# KiCad board Type 1 Termination Board v3.kicad_pcb (continued)
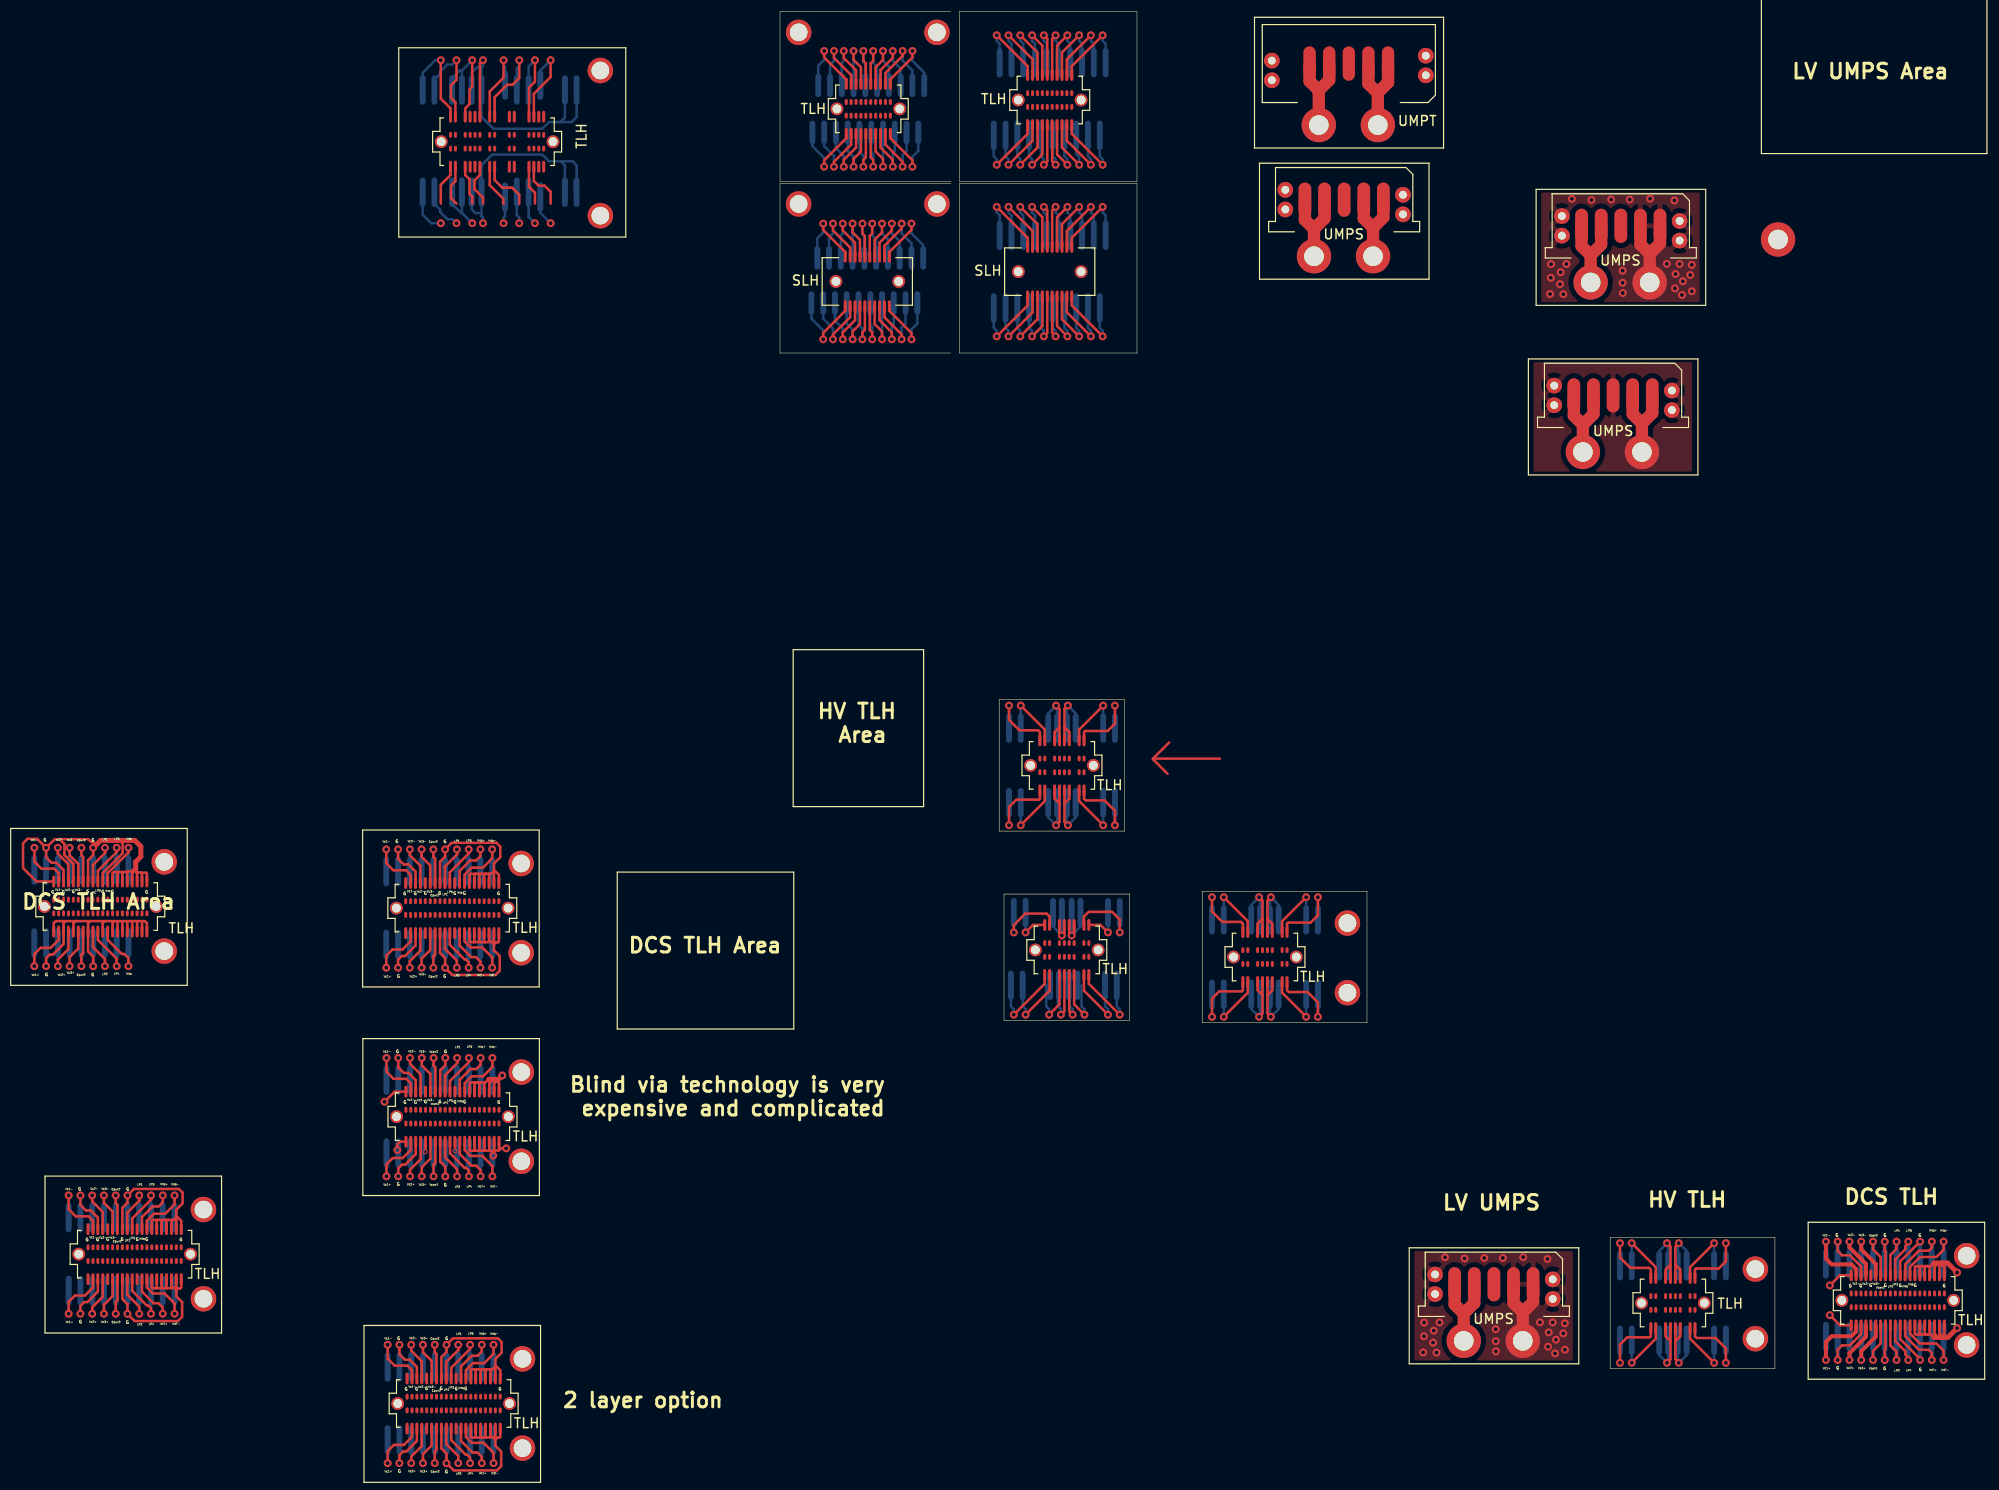
[diagram p0: board, top side]
## Copper pours and planes (outline as drawn; the poured copper is in the pictures) (continued)
GND on Top: 164.42,128.03 164.42,116.86 148.26,116.86 148.26,128.03
GND on Top: 163.63,110.74 163.63,99.57 147.47,99.57 147.47,110.74
GND on Bottom: 45.99,11.72 45.99,-2.99 29.34,-2.99 29.34,11.72
GND on Bottom: 148.12,128.18 164.54,128.17 164.55,116.73 148.13,116.73
GND on Bottom: 147.33,110.89 163.75,110.88 163.76,99.44 147.34,99.44
GND on InF.Cu: -3.42,27.09 13.39,27.09 13.39,12.15 -3.43,12.15
GND on InF.Cu: 28.99,41.11 45.8,41.11 45.8,26.17 28.98,26.17
GND on InF.Cu: 176.1,22.38 193.18,22.38 193.18,7.44 176.1,7.44
/LV on Top: 151.48,20.1 151.48,8.93 135.32,8.93 135.32,20.1
/LV on Bottom: 135.18,20.25 151.6,20.24 151.61,8.8 135.19,8.8

## Text on the board
F.SilkS: Vc1- | Vc1+ | Vc2- | Vc2+ | Vc3- | Vc3+ | Cpwr2 | LP1 | LP3 | LP2 | Intq | LP4 | IntT+ | Intq+ | Intq- | IntT- | Vcan2 | Vcan1 | G | DCS TLH Area | 2 layer option | Blind via technology is very / expensive and complicated | HV TLH / Area | LV UMPS | HV TLH | LV UMPS Area | DCS TLH
